# Altium PCB PCB2-v2.PcbDoc (part 6 of 8) (continued)
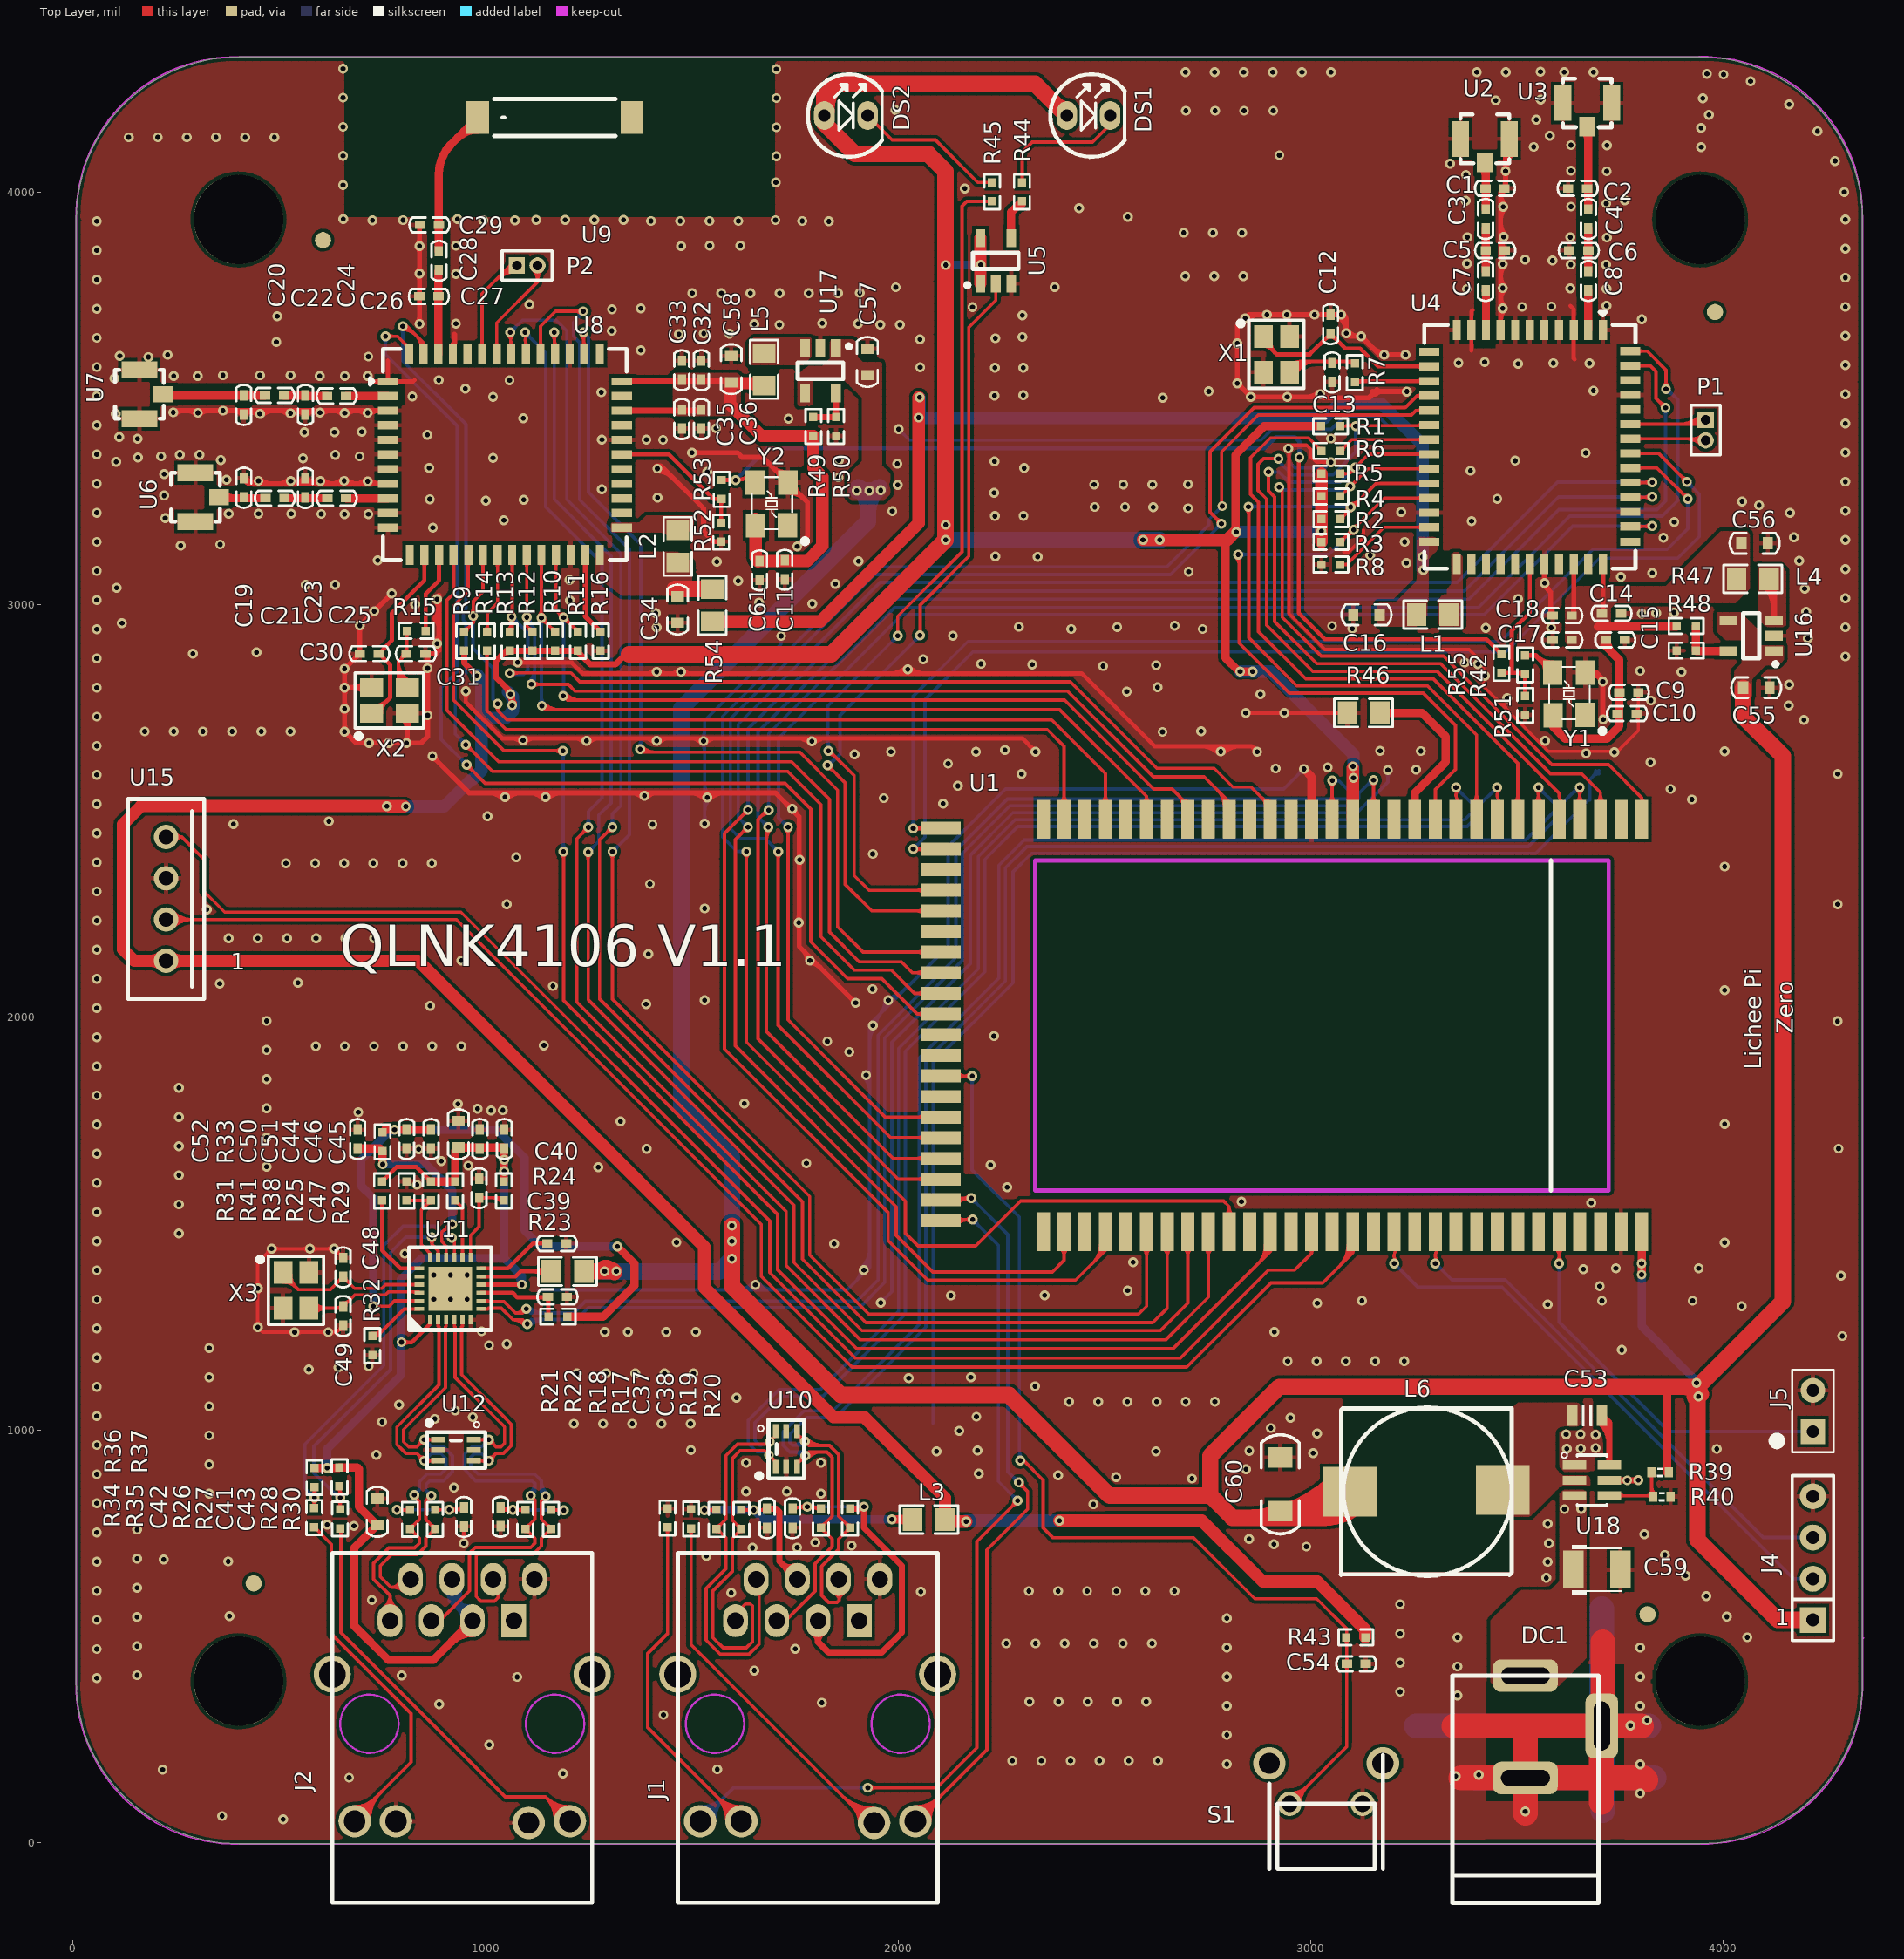
[diagram p0: Top Layer view]
## Nets (pads, with @x,y where several pads share a name; then routed paths per layer and width w, separated by ;. In a path a pad name is that pad's centre, name@x,y a point inside that pad or via, vN(x,y) a via of type N, cw(c..) or ccw(c..) an arc to the next point about the centre after c; other vN are vias at no path point) (continued)
LED0: U1.65 U5.2 | length 2415.8
  Top Layer w8: v1(1828.89,2610.89) 1871.65,2568.13 1871.65,2322.13 1935.86,2257.92 U1.65@2103.93,2257.92 ; v1(2052.89,2925.89) 2052.89,2999.42 2170.92,3117.45 2170.92,3672.26 2236.37,3737.71 U5.2@2236.37,3778.71 ; v1@1828.89,2602.89 cw(c1828.89,2583.58) 1842.54,2597.24 ; v1@1828.89,2602.89 cw(c1828.89,2583.58) 1842.54,2597.24 ; v1@1828.89,2602.89 cw(c1828.89,2583.58) 1842.54,2597.24 ; v1@1828.89,2602.89 cw(c1828.89,2583.58) 1842.54,2597.24 ; v1@1836.89,2610.89 ccw(c1856.2,2610.89) 1842.54,2597.24 ; v1@1836.89,2610.89 ccw(c1856.2,2610.89) 1842.54,2597.24 ; v1@1836.89,2610.89 ccw(c1856.2,2610.89) 1842.54,2597.24 ; v1@1836.89,2610.89 ccw(c1856.2,2610.89) 1842.54,2597.24 ; 2044.07,2257.92 cw(c2044.07,2229.55) U1.65@2064.13,2249.61 ; 2044.07,2257.92 ccw(c2044.07,2286.28) U1.65@2064.13,2266.22 ; 2044.07,2257.92 cw(c2044.07,2229.55) U1.65@2064.13,2249.61 ; 2044.07,2257.92 ccw(c2044.07,2286.28) U1.65@2064.13,2266.22 ; 2044.07,2257.92 ccw(c2044.07,2286.28) U1.65@2064.13,2266.22 ; 2044.07,2257.92 cw(c2044.07,2229.55) U1.65@2064.13,2249.61 ; 2044.07,2257.92 ccw(c2044.07,2286.28) U1.65@2064.13,2266.22 ; 2044.07,2257.92 cw(c2044.07,2229.55) U1.65@2064.13,2249.61
  Bottom Layer w8: v1(1828.89,2610.89) 1832.21,2610.89 1858.89,2637.56 1858.89,2731.89 v1(2052.89,2925.89) ; v1@1828.89,2618.89 ccw(c1828.89,2646.24) 1848.22,2626.9 ; v1@1828.89,2618.89 ccw(c1828.89,2646.24) 1848.22,2626.9 ; v1@1828.89,2618.89 ccw(c1828.89,2646.24) 1848.22,2626.9 ; v1@1836.89,2610.89 cw(c1848.17,2610.89) 1840.19,2618.87 ; v1@1836.89,2610.89 cw(c1848.17,2610.89) 1840.19,2618.87 ; v1@1836.89,2610.89 cw(c1848.17,2610.89) 1840.19,2618.87 ; 2039.23,2912.24 cw(c2052.89,2898.58) v1@2052.89,2917.89 ; 2039.23,2912.24 ccw(c2025.57,2925.89) v1@2044.89,2925.89 ; 2039.23,2912.24 cw(c2052.89,2898.58) v1@2052.89,2917.89 ; 2039.23,2912.24 ccw(c2025.57,2925.89) v1@2044.89,2925.89 ; 2039.23,2912.24 ccw(c2025.57,2925.89) v1@2044.89,2925.89 ; 2039.23,2912.24 cw(c2052.89,2898.58) v1@2052.89,2917.89 ; 2039.23,2912.24 ccw(c2025.57,2925.89) v1@2044.89,2925.89 ; 2039.23,2912.24 cw(c2052.89,2898.58) v1@2052.89,2917.89
LED1: R45.2 U1.64 | length 2571.5
  Top Layer w8: v1@1835.74,2651.04 1835.74,2643.25 1893.04,2585.94 1893.04,2343.74 1928.86,2307.92 U1.64@2103.93,2307.92 ; v1(1998.89,2924.89) 1998.89,2972.36 2154.62,3128.09 2154.62,3966.16 2166.29,3977.83 R45.2@2227.36,3977.83 ; v1@1830.78,2638.08 cw(c1830.78,2613.62) 1848.08,2630.91 ; v1@1830.78,2638.08 cw(c1830.78,2613.62) 1848.08,2630.91 ; v1@1830.78,2638.08 cw(c1830.78,2613.62) 1848.08,2630.91 ; v1@1838.78,2646.08 ccw(c1852.95,2646.08) 1842.93,2636.06 ; v1@1838.78,2646.08 ccw(c1852.95,2646.08) 1842.93,2636.06 ; v1@1838.78,2646.08 ccw(c1852.95,2646.08) 1842.93,2636.06 ; 2044.07,2307.92 cw(c2044.07,2279.55) U1.64@2064.13,2299.61 ; 2044.07,2307.92 ccw(c2044.07,2336.28) U1.64@2064.13,2316.22 ; 2044.07,2307.92 cw(c2044.07,2279.55) U1.64@2064.13,2299.61 ; 2044.07,2307.92 ccw(c2044.07,2336.28) U1.64@2064.13,2316.22 ; 2044.07,2307.92 ccw(c2044.07,2336.28) U1.64@2064.13,2316.22 ; 2044.07,2307.92 cw(c2044.07,2279.55) U1.64@2064.13,2299.61 ; 2044.07,2307.92 ccw(c2044.07,2336.28) U1.64@2064.13,2316.22 ; 2044.07,2307.92 cw(c2044.07,2279.55) U1.64@2064.13,2299.61
  Bottom Layer w8: v1@1829.89,2646.08 1829.89,2755.89 v1(1998.89,2924.89) v1@1998.89,2925.89 ; v1@1825.12,2651.73 ccw(c1813.62,2663.23) 1829.89,2663.23 ; v1@1825.12,2651.73 ccw(c1813.62,2663.23) 1829.89,2663.23 ; v1@1825.12,2651.73 ccw(c1813.62,2663.23) 1829.89,2663.23 ; 1829.89,2667.55 ccw(c1852.25,2667.55) v1@1836.44,2651.73 ; 1829.89,2667.55 ccw(c1852.25,2667.55) v1@1836.44,2651.73 ; 1829.89,2667.55 ccw(c1852.25,2667.55) v1@1836.44,2651.73 ; 1985.23,2911.24 cw(c1998.89,2897.58) v1@1998.89,2916.89 ; 1985.23,2911.24 ccw(c1971.57,2924.89) v1@1990.89,2924.89 ; 1985.23,2911.24 cw(c1998.89,2897.58) v1@1998.89,2916.89 ; 1985.23,2911.24 ccw(c1971.57,2924.89) v1@1990.89,2924.89 ; 1985.23,2911.24 ccw(c1971.57,2924.89) v1@1990.89,2924.89 ; 1985.23,2911.24 cw(c1998.89,2897.58) v1@1998.89,2916.89 ; 1985.23,2911.24 ccw(c1971.57,2924.89) v1@1990.89,2924.89 ; 1985.23,2911.24 cw(c1998.89,2897.58) v1@1998.89,2916.89
  other v1: 1830.78,2646.08
NetC1_2: C1.2 C3.2 U2.1 | length 137.7
  Top Layer w20: U2.1@3415.06,4061.43 cw(c3394.06,4040.43) 3423.76,4040.43 ; U2.1@3421.91,4072.22 cw(c3417.44,4067.75) 3423.76,4067.75 C3.2@3423.76,3958.31
NetC2_1: C2.1 C4.1 U3.1 | length 229.9
  Top Layer w20: U3.1@3663.2,4148.43 cw(c3640.23,4125.46) 3672.71,4125.46 ; C2.1@3669.96,4009.39 C2.1@3672.71,4009.39 ; U3.1@3670.05,4159.21 cw(c3663.61,4152.77) 3672.71,4152.77 C2.1@3672.71,4009.39 ; C4.1@3672.71,3958.31 C2.1@3672.71,4009.39
NetC3_1: C3.1 C5.2 C7.1 | length 104.4
  Top Layer w20: C7.1@3423.76,3807.89 C3.1@3423.76,3912.31
NetC4_2: C4.2 C6.1 C8.1 | length 104.4
  Top Layer w20: C8.1@3672.71,3807.89 C6.1@3672.71,3858.69 C4.2@3672.71,3912.31
NetC7_2: C7.2 U4.9 | length 96
  Top Layer w20: C7.2@3423.76,3761.89 cw(c3421.53,3759.66) 3424.68,3759.66 U4.9@3424.68,3666.18
NetC8_2: C8.2 U4.2 | length 95.7
  Top Layer w20: U4.2@3672.71,3666.18 C8.2@3672.71,3761.89
NetC12_1: C12.1 U4.13 X1.1 | length 985.8
  Top Layer w10: X1.1@2885.31,3650.44 2885.31,3638.47 2916.89,3606.89 2997.66,3606.89 C12.1@3043.66,3652.89 ; U4.13@3287.36,3577.6 3233.89,3577.6 3163.18,3577.6 3119.89,3620.89 3084.18,3620.89 C12.1@3052.18,3652.89 ; X1.1@2885.31,3627.88 cw(c2885.31,3602.31) 2903.39,3620.39 ; X1.1@2885.31,3627.88 cw(c2885.31,3602.31) 2903.39,3620.39 ; X1.1@2885.31,3627.88 cw(c2885.31,3602.31) 2903.39,3620.39 ; X1.1@2885.31,3627.88 cw(c2885.31,3602.31) 2903.39,3620.39 ; X1.1@2892.86,3644.36 ccw(c2915.85,3640.82) X1.1@2899.4,3624.38 ; X1.1@2892.86,3644.36 ccw(c2915.85,3640.82) X1.1@2899.4,3624.38 ; X1.1@2892.86,3644.36 ccw(c2915.85,3640.82) X1.1@2899.4,3624.38 ; X1.1@2892.86,3644.36 ccw(c2915.85,3640.82) X1.1@2899.4,3624.38 ; X1.1@2902.74,3642.84 ccw(c2940.05,3637.11) 2913.36,3610.42 ; X1.1@2902.74,3642.84 ccw(c2940.05,3637.11) 2913.36,3610.42 ; X1.1@2902.74,3642.84 ccw(c2940.05,3637.11) 2913.36,3610.42 ; X1.1@2902.74,3642.84 ccw(c2940.05,3637.11) 2913.36,3610.42 ; 3035.11,3644.35 cw(c3047.92,3631.55) C12.1@3047.92,3649.65 ; 3035.11,3644.35 cw(c3047.92,3631.55) C12.1@3047.92,3649.65 ; 3035.11,3644.35 cw(c3047.92,3631.55) C12.1@3047.92,3649.65 ; 3035.11,3644.35 cw(c3047.92,3631.55) C12.1@3047.92,3649.65 ; C12.1@3043.66,3652.89 C12.1@3052.18,3652.89 ; C12.1@3043.66,3652.89 C12.1@3047.92,3657.15 C12.1@3052.18,3652.89 ; C12.1@3047.92,3649.65 cw(c3047.92,3631.55) 3060.72,3644.35 ; C12.1@3047.92,3649.65 cw(c3047.92,3631.55) 3060.72,3644.35 ; C12.1@3047.92,3649.65 cw(c3047.92,3631.55) 3060.72,3644.35 ; C12.1@3047.92,3649.65 cw(c3047.92,3631.55) 3060.72,3644.35 ; 3260.9,3577.6 cw(c3260.9,3565.91) U4.13@3269.17,3574.18 ; 3260.9,3577.6 ccw(c3260.9,3589.29) U4.13@3269.17,3581.03 ; 3260.9,3577.6 cw(c3260.9,3565.91) U4.13@3269.17,3574.18 ; 3260.9,3577.6 ccw(c3260.9,3589.29) U4.13@3269.17,3581.03 ; 3260.9,3577.6 ccw(c3260.9,3589.29) U4.13@3269.17,3581.03 ; 3260.9,3577.6 cw(c3260.9,3565.91) U4.13@3269.17,3574.18 ; 3260.9,3577.6 ccw(c3260.9,3589.29) U4.13@3269.17,3581.03 ; 3260.9,3577.6 cw(c3260.9,3565.91) U4.13@3269.17,3574.18
NetC13_1: C13.1 R7.1 X1.3 | length 1369.4
  Top Layer w8: X1.3@2950.82,3563.82 X1.3@2948.3,3563.82 2974.37,3589.89 ; R7.1@3106.97,3589.89 3010.89,3589.89 ; X1.3@2943.45,3571.02 cw(c2973.13,3557.11) 2973.13,3589.89 ; X1.3@2943.45,3571.02 cw(c2973.13,3557.11) 2973.13,3589.89 ; X1.3@2943.45,3571.02 cw(c2973.13,3557.11) 2973.13,3589.89 ; X1.3@2943.45,3571.02 cw(c2973.13,3557.11) 2973.13,3589.89 ; X1.3@2950.69,3567.62 cw(c2985.72,3551.21) 2985.72,3589.89 ; X1.3@2950.69,3567.62 cw(c2985.72,3551.21) 2985.72,3589.89 ; X1.3@2950.69,3567.62 cw(c2985.72,3551.21) 2985.72,3589.89 ; X1.3@2950.69,3567.62 cw(c2985.72,3551.21) 2985.72,3589.89 ; X1.3@2955.3,3586.02 ccw(c2961.91,3602.35) 2974.37,3589.89 ; X1.3@2955.3,3586.02 ccw(c2961.91,3602.35) 2974.37,3589.89 ; X1.3@2955.3,3586.02 ccw(c2961.91,3602.35) 2974.37,3589.89 ; X1.3@2955.3,3586.02 ccw(c2961.91,3602.35) 2974.37,3589.89 ; X1.3@2957.94,3564.23 cw(c2998.3,3545.32) 2998.3,3589.89 ; X1.3@2957.94,3564.23 cw(c2998.3,3545.32) 2998.3,3589.89 ; X1.3@2957.94,3564.23 cw(c2998.3,3545.32) 2998.3,3589.89 ; X1.3@2957.94,3564.23 cw(c2998.3,3545.32) 2998.3,3589.89 ; X1.3@2965.18,3560.84 cw(c3010.88,3539.42) 3010.88,3589.89 ; X1.3@2965.18,3560.84 cw(c3010.88,3539.42) 3010.88,3589.89 ; X1.3@2965.18,3560.84 cw(c3010.88,3539.42) 3010.88,3589.89 ; X1.3@2965.18,3560.84 cw(c3010.88,3539.42) 3010.88,3589.89 ; X1.3@2966.9,3569.99 cw(c2992.56,3571.71) 2974.37,3589.89 ; X1.3@2966.9,3569.99 cw(c2992.56,3571.71) 2974.37,3589.89 ; X1.3@2966.9,3569.99 cw(c2992.56,3571.71) 2974.37,3589.89 ; X1.3@2966.9,3569.99 cw(c2992.56,3571.71) 2974.37,3589.89 ; 2974.37,3589.89 3010.89,3589.89 ; 3034.7,3589.89 cw(c3034.7,3571.63) C13.1@3047.61,3584.54 ; 3034.7,3589.89 cw(c3034.7,3571.63) C13.1@3047.61,3584.54 ; 3034.7,3589.89 cw(c3034.7,3571.63) C13.1@3047.61,3584.54 ; 3034.7,3589.89 cw(c3034.7,3571.63) C13.1@3047.61,3584.54 ; 3040.04,3589.89 ccw(c3040.04,3600.6) C13.1@3047.61,3593.03 ; 3040.04,3589.89 ccw(c3040.04,3600.6) C13.1@3047.61,3593.03 ; 3040.04,3589.89 ccw(c3040.04,3600.6) C13.1@3047.61,3593.03 ; 3040.04,3589.89 ccw(c3040.04,3600.6) C13.1@3047.61,3593.03 ; C13.1@3056.1,3584.54 cw(c3069.01,3571.63) 3069.01,3589.89 ; C13.1@3056.1,3584.54 cw(c3069.01,3571.63) 3069.01,3589.89 ; C13.1@3056.1,3584.54 cw(c3069.01,3571.63) 3069.01,3589.89 ; C13.1@3056.1,3584.54 cw(c3069.01,3571.63) 3069.01,3589.89 ; C13.1@3056.1,3593.03 ccw(c3063.67,3600.6) 3063.67,3589.89 ; C13.1@3056.1,3593.03 ccw(c3063.67,3600.6) 3063.67,3589.89 ; C13.1@3056.1,3593.03 ccw(c3063.67,3600.6) 3063.67,3589.89 ; C13.1@3056.1,3593.03 ccw(c3063.67,3600.6) 3063.67,3589.89 ; 3082.28,3589.89 cw(c3082.28,3560.97) R7.1@3102.73,3581.42 ; 3082.28,3589.89 cw(c3082.28,3560.97) R7.1@3102.73,3581.42 ; 3082.28,3589.89 cw(c3082.28,3560.97) R7.1@3102.73,3581.42 ; 3082.28,3589.89 cw(c3082.28,3560.97) R7.1@3102.73,3581.42
NetC16_2: C16.2 L1.2 R54.1 U4.25 | length 2523.8
  Top Layer w30: R54.1@1549.21,2959.49 1810.99,2959.49 2049.6,3198.1 v1@2049.6,3502.91
  Bottom Layer w30: v1@2052.29,3500.95 2052.29,3460.39 2060.72,3451.96 2061.44,3452.67 3034.01,3452.67 3067.84,3486.5 3172.38,3486.5 3270.9,3387.98 v1@3270.9,3086
  other v1: 3272.82,3084.51 3270.9,3116.34 2049.4,3453.68 2051.89,3502.91
NetC19_2: C19.2 C21.2 U6.1 | length 136.5
  Top Layer w20: U6.1@353.51,3260.92 356.25,3258.18 C21.2@463.15,3258.18 ; U6.1@364.3,3267.77 ccw(c387.45,3290.92) 387.45,3258.18
NetC20_1: C20.1 C22.1 U7.1 | length 325.3
  Top Layer w20: U7.1@217.6,3510.2 ccw(c224.35,3516.95) 224.35,3507.4 C22.1@464.81,3507.4 C20.1@413.28,3507.4 ; U7.1@228.39,3517.05 ccw(c251.67,3540.33) 251.67,3507.4
NetC21_1: C21.1 C23.2 C25.1 | length 102.2
  Top Layer w20: C21.1@513.64,3258.16 C25.1@615.8,3258.16
NetC22_2: C22.2 C24.1 C26.1 | length 105.4
  Top Layer w20: C22.2@510.81,3507.4 C24.1@562.91,3507.4 564.15,3506.16 C26.1@615.68,3506.16
NetC25_2: C25.2 U8.9 | length 101.1
  Top Layer w20: C25.2@661.8,3258.16 661.98,3257.98 U8.9@762.79,3257.98
NetC26_2: C26.2 U8.2 | length 101.2
  Top Layer w20: C26.2@661.68,3506.16 661.83,3506.01 U8.2@762.79,3506.01
NetC27_2: C27.2 C28.1 U8.48 | length 203.5
  Top Layer w20: U8.48@884.84,3607.9 884.84,3809.03 C28.1@886.5,3810.7
NetC28_2: C28.2 C29.1 U9.1 | length 598.2
  Top Layer w20: C28.2@886.5,3856.7 C29.1@886.5,3920.93 886.5,4044.87 cw(c986.5,4044.87) 915.79,4115.58 U9.1@996.74,4196.52 ; 946.6,4146.39 cw(c996.74,4096.25) U9.1@996.74,4167.15 ; 931.89,4131.67 cw(c980.32,4083.24) U9.1@980.32,4151.73 ; 931.89,4131.67 cw(c980.32,4083.24) U9.1@980.32,4151.73 ; 931.89,4131.67 cw(c980.32,4083.24) U9.1@980.32,4151.73
NetC30_1: C30.1 U8.13 X2.1 | length 918.5
  Top Layer w10: X2.1@723.3,2736.62 729.74,2736.62 768.39,2775.26 768.39,2854 C30.1@740.83,2881.56 772.33,2913.06 772.33,2979.99 831.38,3039.04 851.37,3059.03 U8.13@851.37,3120.66 ; X2.1@728.22,2754.26 ccw(c728.22,2800.52) 760.93,2767.81 ; X2.1@728.22,2754.26 ccw(c728.22,2800.52) 760.93,2767.81 ; X2.1@728.22,2754.26 ccw(c728.22,2800.52) 760.93,2767.81 ; X2.1@728.22,2754.26 ccw(c728.22,2800.52) 760.93,2767.81 ; X2.1@745.85,2736.62 cw(c784.75,2736.62) 757.25,2764.12 ; X2.1@745.85,2736.62 cw(c784.75,2736.62) 757.25,2764.12 ; X2.1@745.85,2736.62 cw(c784.75,2736.62) 757.25,2764.12 ; X2.1@745.85,2736.62 cw(c784.75,2736.62) 757.25,2764.12 ; C30.1@748.33,2881.56 ccw(c766.44,2881.56) 753.63,2868.76 ; C30.1@748.33,2881.56 cw(c766.44,2881.56) 753.63,2894.37 ; C30.1@748.33,2881.56 ccw(c766.44,2881.56) 753.63,2868.76 ; C30.1@748.33,2881.56 cw(c766.44,2881.56) 753.63,2894.37 ; C30.1@748.33,2881.56 cw(c766.44,2881.56) 753.63,2894.37 ; C30.1@748.33,2881.56 ccw(c766.44,2881.56) 753.63,2868.76 ; C30.1@748.33,2881.56 cw(c766.44,2881.56) 753.63,2894.37 ; C30.1@748.33,2881.56 ccw(c766.44,2881.56) 753.63,2868.76 ; U8.13@847.95,3102.47 cw(c839.68,3094.2) 851.37,3094.2 ; U8.13@847.95,3102.47 cw(c839.68,3094.2) 851.37,3094.2 ; U8.13@847.95,3102.47 cw(c839.68,3094.2) 851.37,3094.2 ; U8.13@847.95,3102.47 cw(c839.68,3094.2) 851.37,3094.2 ; 851.37,3094.2 cw(c863.06,3094.2) U8.13@854.8,3102.47 ; 851.37,3094.2 cw(c863.06,3094.2) U8.13@854.8,3102.47 ; 851.37,3094.2 cw(c863.06,3094.2) U8.13@854.8,3102.47 ; 851.37,3094.2 cw(c863.06,3094.2) U8.13@854.8,3102.47
NetC31_1: C31.1 R15.1 X2.3 | length 1088
  Top Layer w8: C31.1@803.52,2885.8 ccw(c793.27,2896.05) 807.76,2896.05 ccw(c822.25,2896.05) C31.1@812,2885.8 ; R15.1@804.14,2932.44 cw(c795.4,2923.7) 807.76,2923.7 ; C31.1@807.76,2881.56 788.08,2861.88 ; 807.76,2920.69 cw(c824.37,2920.69) R15.1@812.62,2932.44 ; X2.3@809.91,2799.61 788.08,2821.44 788.08,2861.88 ; X2.3@788.08,2819.84 ccw(c816.93,2819.84) X2.3@802.26,2794.99 ; X2.3@788.08,2819.84 ccw(c816.93,2819.84) X2.3@802.26,2794.99 ; X2.3@788.08,2819.84 ccw(c816.93,2819.84) X2.3@802.26,2794.99 ; X2.3@788.08,2819.84 ccw(c816.93,2819.84) X2.3@802.26,2794.99 ; 788.08,2833.85 ccw(c825.2,2833.85) X2.3@806.33,2801.88 ; 788.08,2833.85 ccw(c825.2,2833.85) X2.3@806.33,2801.88 ; 788.08,2833.85 ccw(c825.2,2833.85) X2.3@806.33,2801.88 ; 788.08,2833.85 ccw(c825.2,2833.85) X2.3@806.33,2801.88 ; 788.07,2847.86 ccw(c833.47,2847.86) X2.3@810.4,2808.77 ; 788.07,2847.86 ccw(c833.47,2847.86) X2.3@810.4,2808.77 ; 788.07,2847.86 ccw(c833.47,2847.86) X2.3@810.4,2808.77 ; 788.07,2847.86 ccw(c833.47,2847.86) X2.3@810.4,2808.77 ; 788.07,2861.87 ccw(c841.74,2861.87) X2.3@814.46,2815.66 ; 788.07,2861.87 ccw(c841.74,2861.87) X2.3@814.46,2815.66 ; 788.07,2861.87 ccw(c841.74,2861.87) X2.3@814.46,2815.66 ; 788.07,2861.87 ccw(c841.74,2861.87) X2.3@814.46,2815.66 ; 793.25,2867.05 ccw(c778.74,2881.56) C31.1@799.26,2881.56 ; 793.25,2867.05 ccw(c778.74,2881.56) C31.1@799.26,2881.56 ; 793.25,2867.05 ccw(c778.74,2881.56) C31.1@799.26,2881.56 ; 793.25,2867.05 ccw(c778.74,2881.56) C31.1@799.26,2881.56 ; C31.1@799.29,2873.09 cw(c805.26,2867.11) C31.1@805.26,2875.56 ; C31.1@799.29,2873.09 cw(c805.26,2867.11) C31.1@805.26,2875.56 ; C31.1@799.29,2873.09 cw(c805.26,2867.11) C31.1@805.26,2875.56 ; C31.1@799.29,2873.09 cw(c805.26,2867.11) C31.1@805.26,2875.56
  Top Layer w10: R15.1@807.76,2936.06 807.76,2883.33 C31.1@808.38,2882.71 ; C31.1@804.22,2885.1 ccw(c795.69,2893.63) 807.76,2893.63 ; C31.1@804.22,2885.1 ccw(c795.69,2893.63) 807.76,2893.63 ; C31.1@804.22,2885.1 ccw(c795.69,2893.63) 807.76,2893.63 ; R15.1@804.85,2933.14 cw(c797.81,2926.11) 807.76,2926.11 ; R15.1@804.85,2933.14 cw(c797.81,2926.11) 807.76,2926.11 ; R15.1@804.85,2933.14 cw(c797.81,2926.11) 807.76,2926.11 ; 807.76,2893.63 ccw(c819.83,2893.63) C31.1@811.3,2885.1 ; 807.76,2893.63 ccw(c819.83,2893.63) C31.1@811.3,2885.1 ; 807.76,2893.63 ccw(c819.83,2893.63) C31.1@811.3,2885.1 ; 807.76,2923.11 cw(c821.95,2923.11) R15.1@811.92,2933.14 ; 807.76,2923.11 cw(c821.95,2923.11) R15.1@811.92,2933.14 ; 807.76,2923.11 cw(c821.95,2923.11) R15.1@811.92,2933.14
NetC37_2: C37.2 J1.4 L3.1 R17.1 R18.1 | length 1344.4
  Top Layer w8: R17.1@1619.83,805.83 v1(1650.32,805.83) 1679.34,805.83 C37.2@1682.18,808.68 ; 1631.01,805.83 ccw(c1631.01,825.14) 1644.66,811.49 cw(c1631.01,825.14) 1631.01,805.83 ; 1631.01,805.83 cw(c1631.01,786.52) 1644.66,800.17 ccw(c1631.01,786.52) 1631.01,805.83 ; 1634.31,805.83 ccw(c1634.31,791.34) 1624.07,801.59 cw(c1634.31,791.34) 1634.31,805.83 ; 1634.31,805.83 cw(c1634.31,820.32) 1624.07,810.07 ccw(c1634.31,820.32) 1634.31,805.83 ; 1669.63,805.83 ccw(c1669.63,786.52) 1655.98,800.17 cw(c1669.63,786.52) 1669.63,805.83 ; 1669.63,805.83 cw(c1669.63,825.14) 1655.98,811.49 ccw(c1669.63,825.14) 1669.63,805.83 ; 1666.87,805.83 ccw(c1666.87,821.49) 1677.94,810.42 cw(c1666.87,821.49) 1666.87,805.83 ; 1668.53,805.83 cw(c1668.53,792.52) 1677.94,801.93 ccw(c1668.53,792.52) 1668.53,805.83
  Top Layer w10: v1(1530.08,805.52) 1530.39,805.83 R18.1@1559.47,805.83 ; 1547.4,805.83 ccw(c1547.4,817.9) 1555.94,809.37 cw(c1547.4,817.9) 1547.4,805.83 ; 1547.4,805.83 cw(c1547.4,793.76) 1555.94,802.29 ccw(c1547.4,793.76) 1547.4,805.83 ; v1@1535.03,800.57 cw(c1547.72,787.87) 1547.72,805.83 ccw(c1547.72,787.87) v1@1535.03,800.57 ; v1@1535.03,810.47 ccw(c1546.23,821.67) 1546.23,805.83 cw(c1546.23,821.67) v1@1535.03,810.47
  Top Layer w15: C37.2@1682.18,808.68 1703.83,808.68 1711.54,800.97 1711.54,681.36 J1.4@1755.45,637.45 ; 1716.55,676.36 ccw(c1738.58,698.39) 1748.38,668.81 cw(c1738.58,698.39) 1716.55,676.36 ; 1724.11,668.79 cw(c1702.77,647.45) 1732.95,647.45 ccw(c1702.77,647.45) 1724.11,668.79
  Top Layer w20: v1(1984.58,782.68) L3.1@2034.5,782.68 ; 2001.62,782.68 ccw(c2001.62,815.57) 2024.87,792.31 cw(c2001.62,815.57) 2001.62,782.68 ; 2001.62,782.68 cw(c2001.62,749.79) 2024.87,773.05 ccw(c2001.62,749.79) 2001.62,782.68
  Bottom Layer w20: v1(1530.08,805.52) 1530.39,805.83 v1(1650.32,805.83) 1673.47,782.68 v1(1984.58,782.68)
NetC38_2: C38.2 J1.5 R19.1 R20.1 | length 1354.4
  Top Layer w8: C38.2@1743.62,808.68 1746.82,811.87 1809.46,811.87 R19.1@1812.39,808.94 ; R20.1@1883.25,808.94 R20.1@1887.89,813.58 ; C38.2@1747.86,806.93 cw(c1759.79,795.01) 1759.79,811.87 ccw(c1759.79,795.01) C38.2@1747.86,806.93 ; C38.2@1747.86,815.42 ccw(c1756.43,823.98) 1756.43,811.87 cw(c1756.43,823.98) C38.2@1747.86,815.42 ; 1755.96,811.87 ccw(c1755.96,837.01) 1773.74,819.23 cw(c1755.96,837.01) 1755.96,811.87 ; 1764.2,811.87 cw(c1764.2,798.38) 1773.74,807.92 ccw(c1764.2,798.38) 1764.2,811.87 ; v1@1785.05,807.92 cw(c1794.59,798.38) 1794.59,811.87 ccw(c1794.59,798.38) v1@1785.05,807.92 ; v1@1785.05,819.23 ccw(c1802.82,837.01) 1802.82,811.87 cw(c1802.82,837.01) v1@1785.05,819.23 ; v1@1790.83,811.87 cw(c1790.83,787.39) 1808.14,804.7 ccw(c1790.83,787.39) v1@1790.83,811.87
  Top Layer w15: J1.5@1805.45,537.45 1805.45,485.99 ; R20.1@1883.25,808.94 1912.23,808.94 v1(1916.86,813.58) 1916.86,762.27 2008.48,670.64 2008.48,508.66 1960.42,460.6 1830.84,460.6 1805.45,485.99 ; 1805.45,485.99 ccw(c1778.5,485.99) 1793.19,508.59 cw(c1778.5,485.99) 1805.45,485.99 ; 1805.45,485.99 cw(c1832.4,485.99) 1817.71,508.59 ccw(c1832.4,485.99) 1805.45,485.99 ; 1894.81,808.94 ccw(c1894.81,835.63) 1913.68,816.76 cw(c1894.81,835.63) 1894.81,808.94
  Bottom Layer w8: v1(1779.39,813.58) v1(1916.86,813.58) ; 1798.71,813.58 ccw(c1798.71,794.26) 1785.05,807.92 cw(c1798.71,794.26) 1798.71,813.58 ; 1798.71,813.58 cw(c1798.71,832.89) 1785.05,819.23 ccw(c1798.71,832.89) 1798.71,813.58 ; 1897.55,813.58 ccw(c1897.55,832.89) 1911.2,819.23 cw(c1897.55,832.89) 1897.55,813.58 ; 1897.55,813.58 cw(c1897.55,794.26) 1911.2,807.92 ccw(c1897.55,794.26) 1897.55,813.58
NetC39_1: C39.1 R23.2 U11.9 | length 348.3
  Top Layer w10: 1032.79,1332.35 U11.9@989.06,1332.35 1065.43,1332.35 1076.59,1321.18 C39.1@1152.03,1321.18 ; C39.1@1150.85,1322.36 C39.1@1152.03,1321.18 ; R23.2@1152.03,1274.35 C39.1@1152.03,1321.18 ; 1152.03,1286.42 ccw(c1164.1,1286.42) 1155.57,1277.89 cw(c1164.1,1286.42) 1152.03,1286.42 ; 1152.03,1286.42 cw(c1139.96,1286.42) 1148.5,1277.89 ccw(c1139.96,1286.42) 1152.03,1286.42 ; 1133.43,1321.18 ccw(c1133.43,1337.28) 1144.82,1325.9 cw(c1133.43,1337.28) 1133.43,1321.18 ; C39.1@1147.32,1318.83 cw(c1135.93,1307.44) 1152.03,1307.44 ccw(c1135.93,1307.44) C39.1@1147.32,1318.83
NetC40_2: C40.2 U11.12 | length 185
  Top Layer w10: U11.12@989.06,1391.4 1053.82,1391.4 1114.04,1451.62 C40.2@1149.14,1451.62
NetC41_2: C41.2 R26.1 R27.1 | length 665.6
  Top Layer w8: v1(784.38,806.23) 784.72,805.88 R26.1@816.42,805.88 ; R27.1@877.25,805.88 877.58,806.21 v1(911.67,806.21) 941.32,806.21 C41.2@946.96,811.85 ; 801.93,805.88 ccw(c801.93,820.37) 812.17,810.13 cw(c801.93,820.37) 801.93,805.88 ; 801.93,805.88 cw(c801.93,791.4) 812.17,801.64 ccw(c801.93,791.4) 801.93,805.88 ; 892.36,806.21 ccw(c892.36,825.52) 906.02,811.87 cw(c892.36,825.52) 892.36,806.21 ; 892.36,806.21 cw(c892.36,786.9) 906.02,800.55 ccw(c892.36,786.9) 892.36,806.21 ; 930.99,806.21 ccw(c930.99,786.9) 917.33,800.55 cw(c930.99,786.9) 930.99,806.21 ; 930.99,806.21 cw(c930.99,825.52) 917.33,811.87 ccw(c930.99,825.52) 930.99,806.21 ; v1@790.04,800.57 cw(c802.87,787.74) 802.87,805.88 ccw(c802.87,787.74) v1@790.04,800.57 ; v1@790.04,811.88 ccw(c804.52,826.36) 804.52,805.88 cw(c804.52,826.36) v1@790.04,811.88 ; R27.1@881.49,801.64 cw(c892.52,790.61) 892.52,806.21 ccw(c892.52,790.61) R27.1@881.49,801.64 ; R27.1@881.49,810.13 ccw(c890.95,819.58) 890.95,806.21 cw(c890.95,819.58) R27.1@881.49,810.13 ; 924.9,806.21 ccw(c924.9,831.4) 942.72,813.59 cw(c924.9,831.4) 924.9,806.21
  Bottom Layer w8: v1(784.38,806.23) v1(911.67,806.21) ; 803.69,806.23 ccw(c803.69,786.91) 790.04,800.57 cw(c803.69,786.91) 803.69,806.23 ; 803.69,806.23 cw(c803.69,825.54) 790.04,811.88 ccw(c803.69,825.54) 803.69,806.23 ; 892.32,806.23 cw(c892.32,786.86) 906.02,800.55 ccw(c892.32,786.86) 892.32,806.23 ; 892.4,806.23 ccw(c892.4,825.49) 906.02,811.87 cw(c892.4,825.49) 892.4,806.23
NetC43_2: C43.2 R28.1 R30.1 | length 657
  Top Layer w8: C43.2@1035.87,812.34 1042.32,805.88 v1(1065.6,805.88) R28.1@1095.94,805.88 ; R30.1@1158.32,805.88 1189.24,805.88 v1@1189.62,806.26 ; 1046.28,805.88 ccw(c1046.28,825.2) 1059.94,811.54 cw(c1046.28,825.2) 1046.28,805.88 ; 1046.28,805.88 cw(c1046.28,786.57) 1059.94,800.23 ccw(c1046.28,786.57) 1046.28,805.88 ; 1081.46,805.88 ccw(c1081.46,820.37) 1091.7,810.13 cw(c1081.46,820.37) 1081.46,805.88 ; 1081.46,805.88 cw(c1081.46,791.4) 1091.7,801.64 ccw(c1081.46,791.4) 1081.46,805.88 ; 1084.91,805.88 ccw(c1084.91,786.57) 1071.25,800.23 cw(c1084.91,786.57) 1084.91,805.88 ; 1084.91,805.88 cw(c1084.91,825.2) 1071.25,811.54 ccw(c1084.91,825.2) 1084.91,805.88 ; 1172.81,805.88 ccw(c1172.81,791.4) 1162.56,801.64 cw(c1172.81,791.4) 1172.81,805.88 ; 1172.81,805.88 cw(c1172.81,820.37) 1162.56,810.13 ccw(c1172.81,820.37) 1172.81,805.88 ; C43.2@1040.11,814.08 ccw(c1059.9,833.88) 1059.9,805.88 cw(c1059.9,833.88) C43.2@1040.11,814.08 ; R30.1@1167.72,805.88 cw(c1167.72,782.91) 1183.97,799.16 ccw(c1167.72,782.91) R30.1@1167.72,805.88 ; 1172.9,805.88 ccw(c1172.9,821.54) 1183.97,810.47 cw(c1172.9,821.54) 1172.9,805.88
  Bottom Layer w8: v1(1065.6,805.88) 1188.55,805.88 v1(1189.62,804.81) ; 1084.91,805.88 ccw(c1084.91,786.57) 1071.25,800.23 cw(c1084.91,786.57) 1084.91,805.88 ; 1084.91,805.88 cw(c1084.91,825.2) 1071.25,811.54 ccw(c1084.91,825.2) 1084.91,805.88 ; 1167.72,805.88 cw(c1167.72,782.91) 1183.97,799.16 ccw(c1167.72,782.91) 1167.72,805.88 ; 1172.9,805.88 ccw(c1172.9,821.54) 1183.97,810.47 cw(c1172.9,821.54) 1172.9,805.88
NetC48_2: C48.2 U11.21 X3.1 | length 1004.8
  Top Layer w8: X3.1@508.55,1381.56 508.55,1377.39 546.31,1339.63 622.85,1339.63 C48.2@654.22,1371 682.21,1343 748.05,1343 757.08,1352.03 U11.21@839.06,1352.03 ; X3.1@508.55,1358 cw(c508.55,1311.21) 541.64,1344.3 ; X3.1@508.55,1358 cw(c508.55,1311.21) 541.64,1344.3 ; X3.1@508.55,1358 cw(c508.55,1311.21) 541.64,1344.3 ; X3.1@508.55,1358 cw(c508.55,1311.21) 541.64,1344.3 ; X3.1@508.55,1366 cw(c508.55,1338.52) X3.1@527.98,1357.95 ; X3.1@508.55,1366 cw(c508.55,1338.52) X3.1@527.98,1357.95 ; X3.1@508.55,1366 cw(c508.55,1338.52) X3.1@527.98,1357.95 ; X3.1@508.55,1366 cw(c508.55,1338.52) X3.1@527.98,1357.95 ; X3.1@519.19,1376.64 ccw(c543.07,1376.64) X3.1@526.18,1359.75 ; X3.1@519.19,1376.64 ccw(c543.07,1376.64) X3.1@526.18,1359.75 ; X3.1@519.19,1376.64 ccw(c543.07,1376.64) X3.1@526.18,1359.75 ; X3.1@519.19,1376.64 ccw(c543.07,1376.64) X3.1@526.18,1359.75 ; X3.1@527.19,1376.64 ccw(c570.38,1376.64) 539.84,1346.1 ; X3.1@527.19,1376.64 ccw(c570.38,1376.64) 539.84,1346.1 ; X3.1@527.19,1376.64 ccw(c570.38,1376.64) 539.84,1346.1 ; X3.1@527.19,1376.64 ccw(c570.38,1376.64) 539.84,1346.1 ; 639.71,1356.49 cw(c654.22,1341.97) C48.2@654.22,1362.5 ; 639.71,1356.49 cw(c654.22,1341.97) C48.2@654.22,1362.5 ; 639.71,1356.49 cw(c654.22,1341.97) C48.2@654.22,1362.5 ; 639.71,1356.49 cw(c654.22,1341.97) C48.2@654.22,1362.5 ; C48.2@645.74,1362.52 ccw(c639.77,1368.5) C48.2@648.22,1368.5 ; C48.2@645.74,1362.52 ccw(c639.77,1368.5) C48.2@648.22,1368.5 ; C48.2@645.74,1362.52 ccw(c639.77,1368.5) C48.2@648.22,1368.5 ; C48.2@645.74,1362.52 ccw(c639.77,1368.5) C48.2@648.22,1368.5 ; C48.2@654.22,1362.5 cw(c654.22,1341.97) 668.73,1356.49 ; C48.2@654.22,1362.5 cw(c654.22,1341.97) 668.73,1356.49 ; C48.2@654.22,1362.5 cw(c654.22,1341.97) 668.73,1356.49 ; C48.2@654.22,1362.5 cw(c654.22,1341.97) 668.73,1356.49 ; C48.2@660.22,1368.5 ccw(c668.67,1368.5) C48.2@662.69,1362.52 ; C48.2@660.22,1368.5 ccw(c668.67,1368.5) C48.2@662.69,1362.52 ; C48.2@660.22,1368.5 ccw(c668.67,1368.5) C48.2@662.69,1362.52 ; C48.2@660.22,1368.5 ccw(c668.67,1368.5) C48.2@662.69,1362.52